# Altium PCB X-Track.PcbDoc
Units mil, origin at the board's own origin, x right, y up, seen from the top; angles counter-clockwise.
Board outline 1270 x 1450 mil, 2 copper layers (Top Layer, Bottom Layer); 67 components, 50 nets, 264 pads, 60 vias.
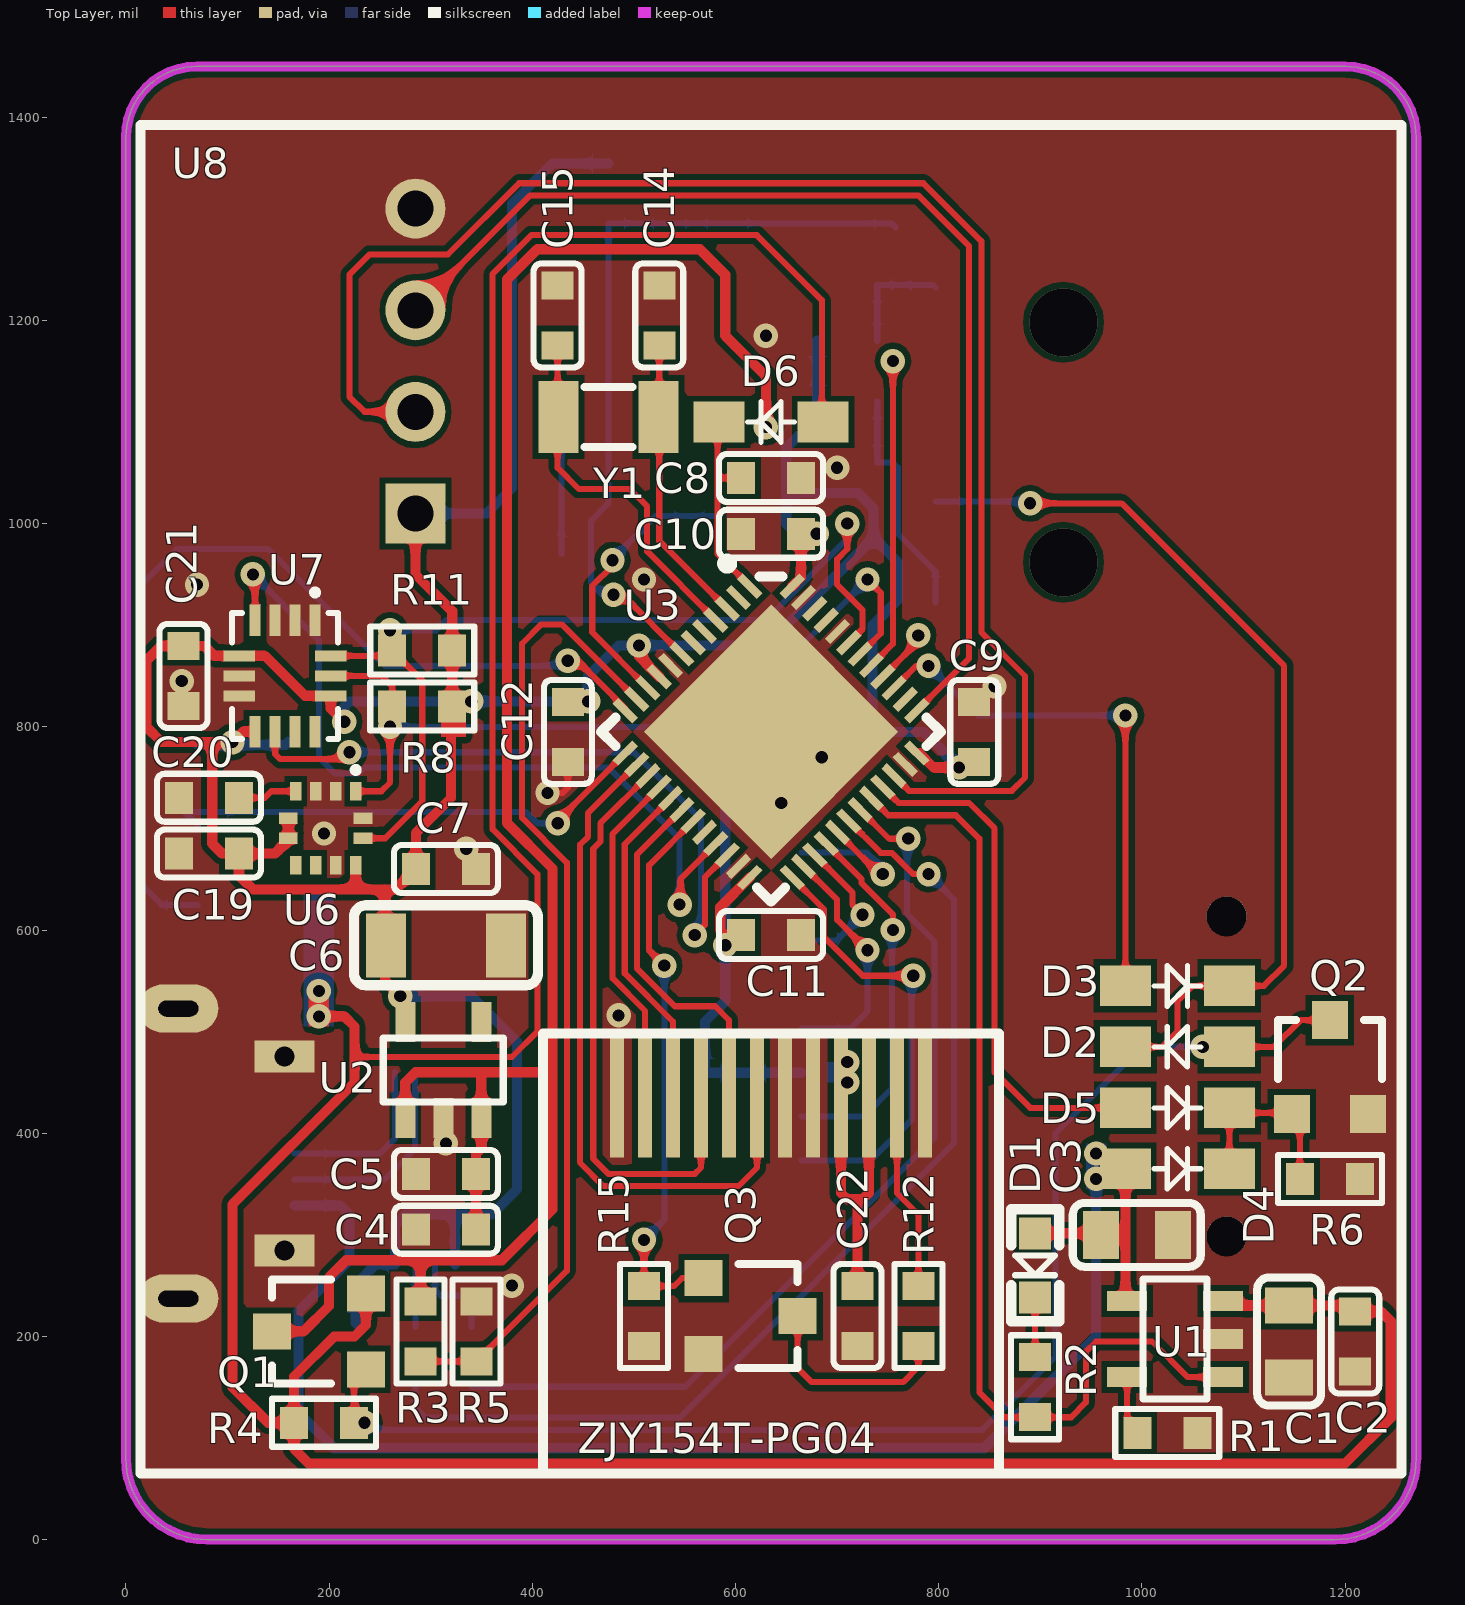
[diagram p0: Top Layer view]
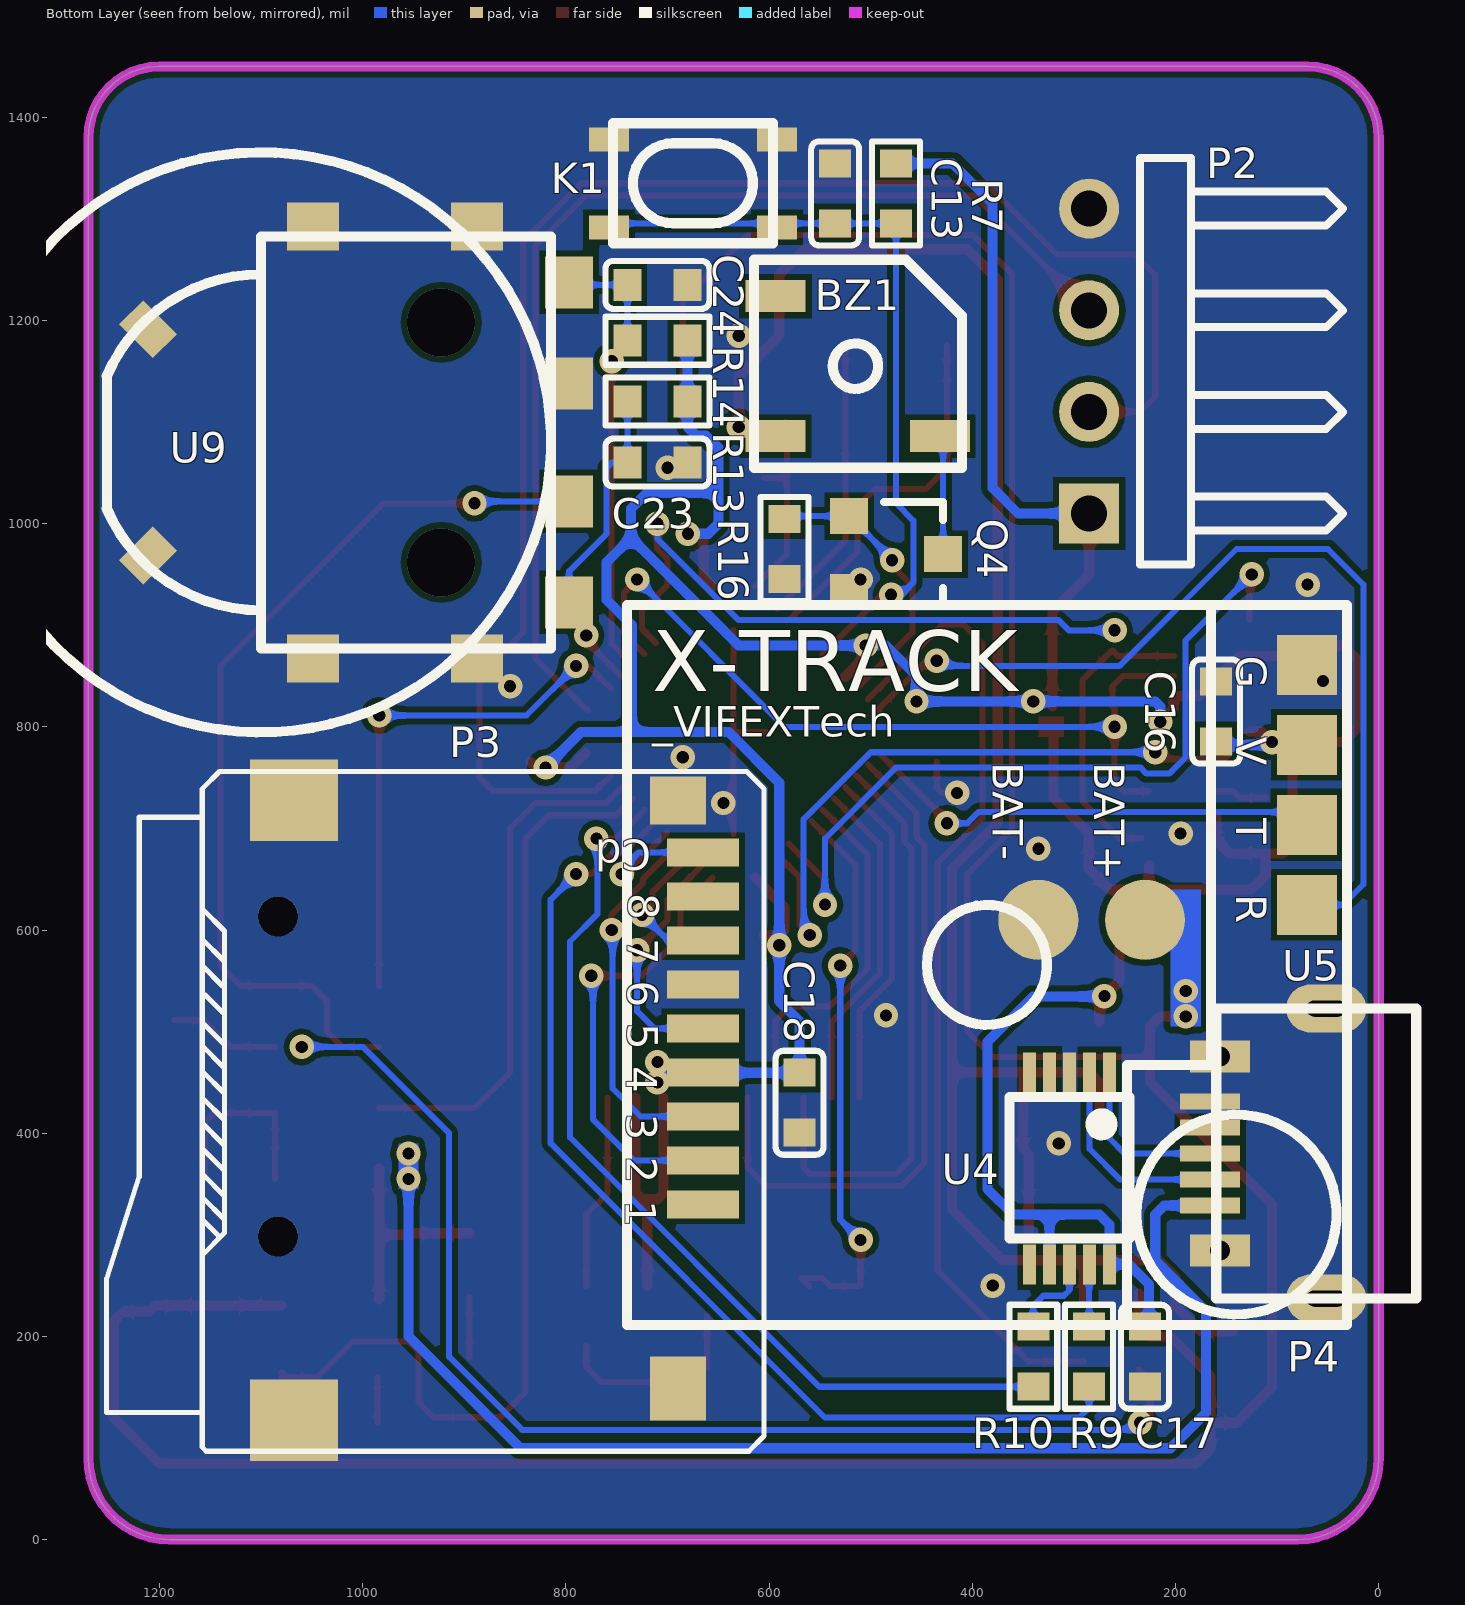
[diagram p1: Bottom Layer view, seen from below]
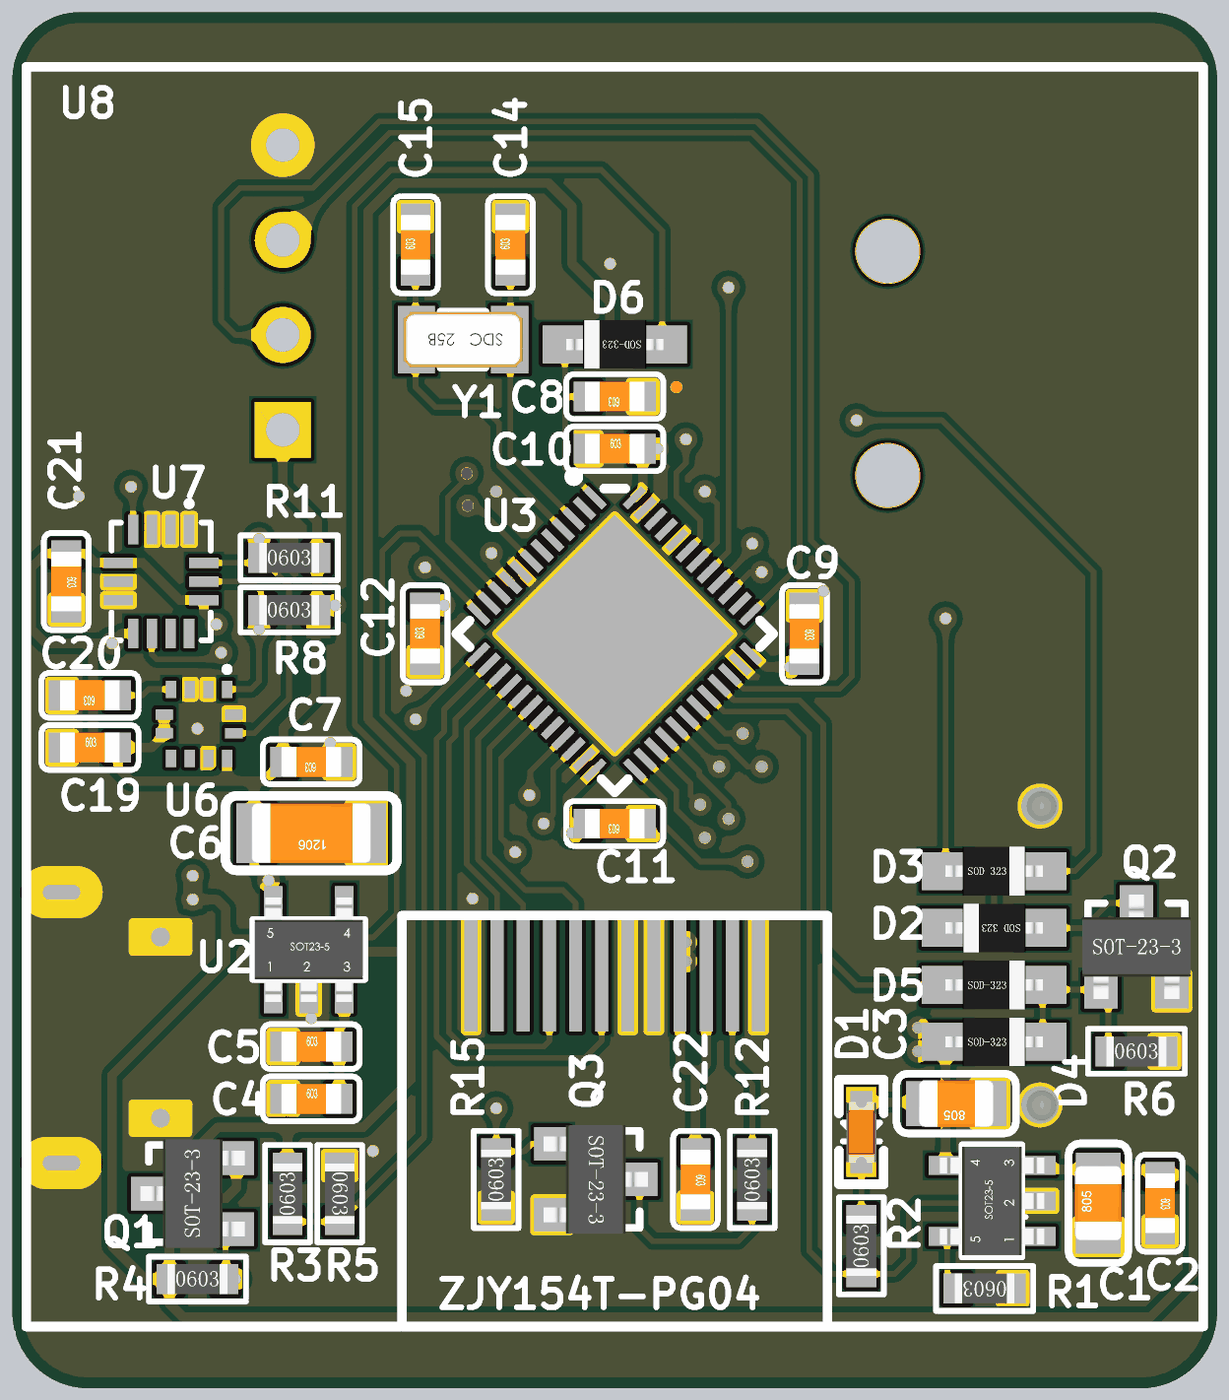
[diagram p2: 3D render of the assembled board from above, using the file's embedded part models]
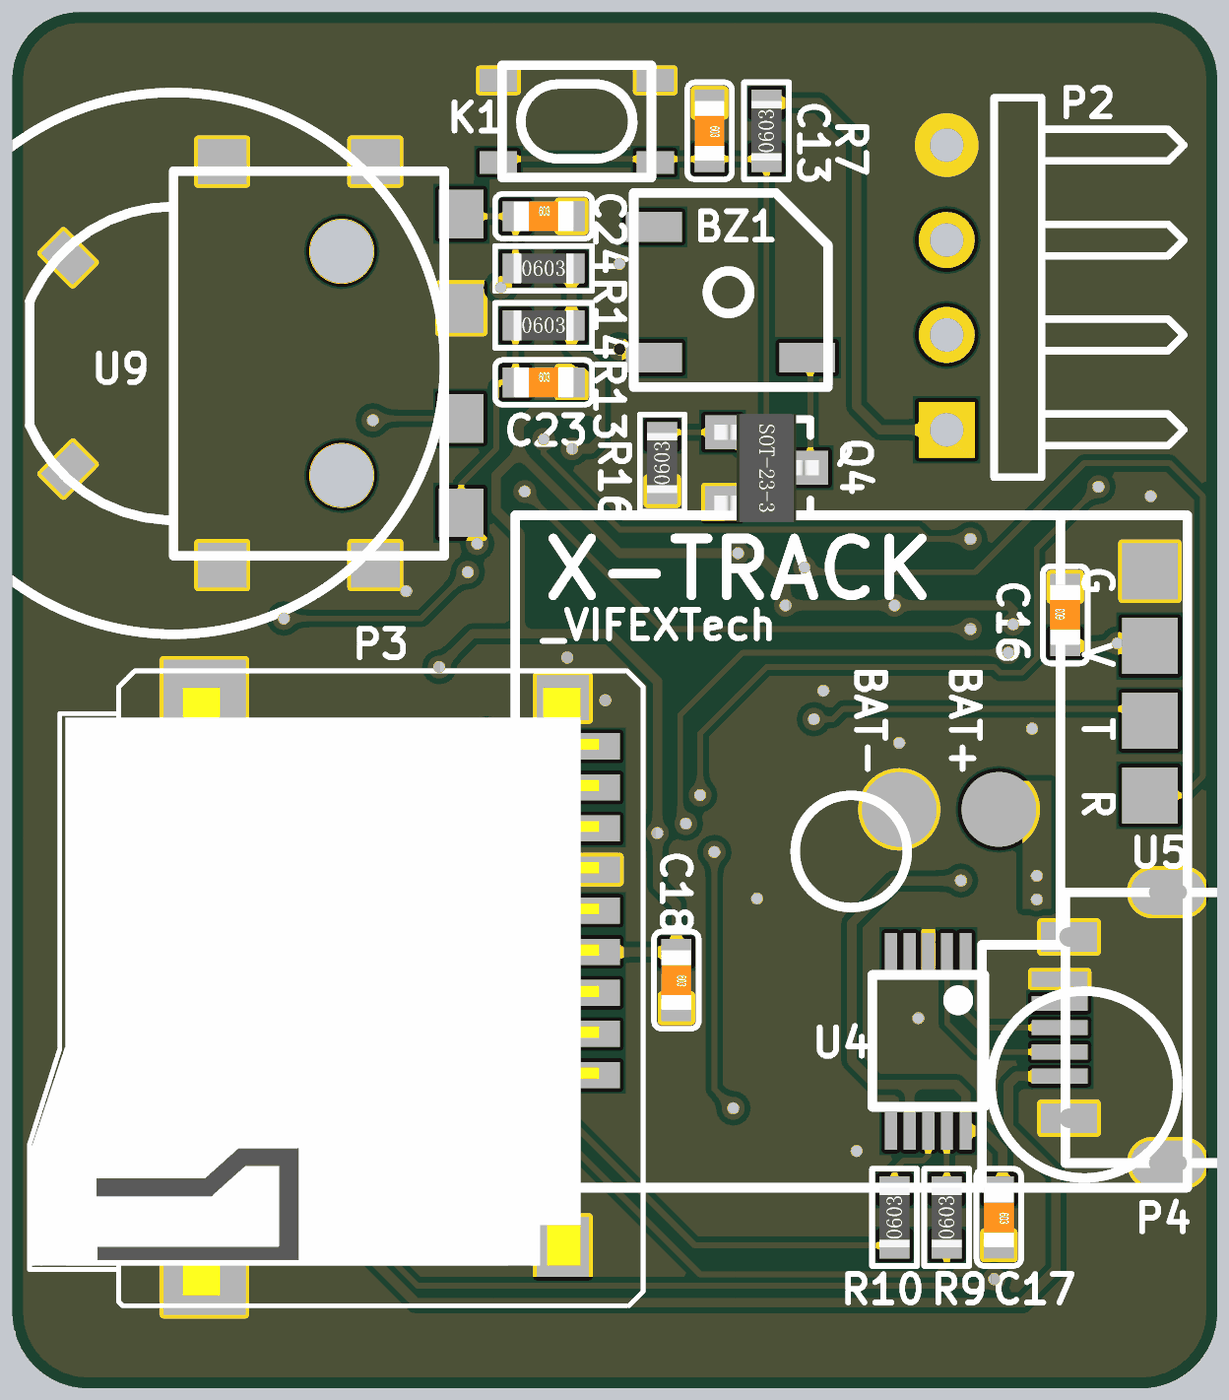
[diagram p3: 3D render of the assembled board from below, using the file's embedded part models]

## Layer stack, top to bottom
Top Solder: solder mask 0.4, Solder Resist, Dk 3.5
Top Layer: signal copper 1.4
Dielectric 1: dielectric 12.6, FR-4, Dk 4.8
Bottom Layer: signal copper 1.4
Bottom Solder: solder mask 0.4, Solder Resist, Dk 3.5

## Board outline
0,80 0,1380 cw(c70,1380) 70,1450 1200,1450 cw(c1200,1380) 1270,1380 1270,80 cw(c1190,80) 1190,0 80,0 cw(c80,80)

## Design rules (kind name [scope] priority, off if disabled: settings)
Clearance [All] p1: gap=6
ComponentClearance [All] p1 off: gap=10 collisioncheckmode=3 verticalgap=10 showdistances=FALSE
HoleSize [All] p1 off: absolutevalues=TRUE maxlimit=100 minlimit=1 maxpercent=80.000 minpercent=20.000
HoleToHoleClearance [All] p1 off: gap=10 allowstackedmicrovias=TRUE
LayerPairs [All] p1 off: enforce=TRUE
MinimumSolderMaskSliver [All] p1 off: minsoldermaskwidth=10
NetAntennae [All] p1 off: netantennaetolerance=0
PlaneConnect [All] p1: planeconnectstyle=Relief reliefexpansion=20 reliefentries=4 reliefconductorwidth=10 reliefairgap=6
PolygonConnect [All] p1: connectstyle=Direct reliefconductorwidth=10 reliefentries=4 polygonreliefangle="90 Angle" airgapwidth=6
RoutingVias [All] p1: holewidth=12 width=24 viastyle="Through Hole" minholewidth=12 minwidth=24 maxholewidth=12 maxwidth=24
SilkToSilkClearance [All] p1 off: silktosilkclearance=10
SilkToSolderMaskClearance [IsPad] p1 off: minsilkscreentomaskgap=10 clearancetoexposedcopper=TRUE
SolderMaskExpansion [All] p1: expansion=4
Width [All] p1: maxlimit=100 minlimit=6 preferedwidth=6
21 further rules are at their usual default settings.

## Classes and differential pairs
component class xLocate_Power: BAT+ BAT- C1 C2 C3 C4 C5 C6 C7 D1 D2 D3 D4 D5 Q1 Q2 R1 R2 R3 R4 R5 R6 U1 U2
component class xLocate_Sheet: BZ1 C8 C9 C10 C11 C12 C13 C14 C15 C16 C17 C18 C19 C20 C21 C22 C23 C24 D6 K1 P2 P3 P4 Q3 Q4 R7 R8 R9 R10 R11 R12 R13 R14 R15 R16 U3 U4 U5 U6 U7 U8 U9 Y1

## Components (designator, comment, footprint, x,y, rotation, side; value= is the part's Value field where it differs from the comment)
BAT+ "BAT_IN" Pad_B 230,610 r90 bottom
BAT- "GND" Pad_B 335,610 r90 bottom
BZ1 "Buzzer" 蜂鸣器_SMD5020 515,1155 r180 bottom
C1 "4.7UF" 电容_C0805 1145,195 r90 top
C2 "104" 电容_C0603 1210,195 r270 top
C3 "4.7UF" 电容_C0805 995,300 r180 top
C4 "104" 电容_C0603 315,305 r0 top
C5 "106" 电容_C0603 315,360 r0 top
C6 "22uF" 电容_C1206 315,585 r180 top
C7 "104" 电容_C0603 315,660 r180 top
C8 "104" 电容_C0603 635,1045 r180 top
C9 "105" 电容_C0603 835,795 r270 top
C10 "105" 电容_C0603 635,990 r0 top
C11 "105" 电容_C0603 635,595 r180 top
C12 "105" 电容_C0603 435,795 r90 top
C13 "104" 电容_C0603 535,1325 r270 bottom
C14 "22pf" 电容_C0603 525,1205 r90 top
C15 "22pf" 电容_C0603 425,1205 r90 top
C16 "105" 电容_C0603 160,815 r90 bottom
C17 "105" 电容_C0603 230,180 r270 bottom
C18 "104" 电容_C0603 570,430 r270 bottom
C19 "104" 电容_C0603 81.71,675.16 r0 top
C20 "104" 电容_C0603 81.71,730.16 r180 top
C21 "104" 电容_C0603 56.71,850.16 r270 top
C22 "104" 电容_C0603 720,220 r270 top
C23 "102" 电容_C0603 710,1060 r180 bottom
C24 "102" 电容_C0603 710,1235 r180 bottom
D1 "red" LED_0603 895,270 r270 top
D2 "1N4148" 二极管_SOD-323 1035,485 r180 top
D3 "1N4148" 二极管_SOD-323 1035,545 r0 top
D4 "1N4148" 二极管_SOD-323 1035,365 r0 top
D5 "1N4148" 二极管_SOD-323 1035,425 r0 top
D6 "1N4007" 二极管_SOD-323 635,1100 r180 top
K1 "SKRP" 开关按键_SKRP 675,1335 r0 bottom
P2 "Header 4" HDR1X4H 285,1010 r90 bottom
P3 "Micro_SD" 接插件_Micro_SD 665,330 r270 bottom locked
P4 "MICRO USB" "接插件_MICRO 牛角插座 USB 直边" 160,380 r270 bottom
Q1 "AO3401" MOS_SOT-23 190,205 r90 top
Q2 "AON3400" MOS_SOT-23 1185,465 r0 top
Q3 "AO3400" MOS_SOT-23 615,220 r270 top
Q4 "AO3400" MOS_SOT-23 475,970 r270 bottom
R1 "2K" 电阻_R0603 1025,105 r180 top
R2 "1K" 电阻_R0603 895,150 r90 top
R3 "20K" 电阻_R0603 290,205 r90 top
R4 "20K" 电阻_R0603 195,115 r0 top
R5 "20K" 电阻_R0603 345,205 r270 top
R6 "20K" 电阻_R0603 1185,355 r0 top
R7 "10K" 电阻_R0603 475,1325 r90 bottom
R8 "3.3K" 电阻_R0603 291.71,820.16 r0 top
R9 "100R" 电阻_R0603 285,180 r90 bottom
R10 "100R" 电阻_R0603 340,180 r90 bottom
R11 "3.3K" 电阻_R0603 291.71,875.16 r0 top
R12 "50R" 电阻_R0603 780,220 r90 top
R13 "10K" 电阻_R0603 710,1120 r180 bottom
R14 "10K" 电阻_R0603 710,1180 r180 bottom
R15 "10K" 电阻_R0603 510,220 r90 top
R16 "10K" 电阻_R0603 585,975 r90 bottom
U1 "MCP73831" SOT23-5 1080,160 r90 top
U2 "LP5907-3.3" SOT23-5 275,415 r0 top
U3 "AT32F403ACGU7" AT主控_QFN48(6X6) 635,795 r315 top locked
U4 "CH340E" 串口_MSOP10 265,460 r0 bottom
U5 "HT1818Z3G5L" GPS-HTZN 740,920 r270 bottom
U6 "LIS3MDL" LGA-12_L2.0-W2.0-P0.50-BL 196.71,700.16 r180 top
U7 "LSM6DSM" LGA-14_L3.0-W2.5-P0.50-BL 156.71,850.16 r180 top
U8 "IPS154-12" "ZJY154T-PG04 FPC 0.7MM" 635,435 r270 top locked
U9 "Rotary Encoder" SIQ-02FVS3 1100,1080 r90 bottom locked
Y1 "32.768K" 晶振_3215 475,1105 r180 top

## Footprints (in the part's own frame and the unit in brackets; to place one, negate y for a bottom-side part, rotate by r counter-clockwise, add the part's x,y. Pads: shape width x height; smd on the part's side, far side on the other; paste and mask are expansions set on the pad)
AT主控_QFN48(6X6) [mm]
  rect 4.5x4.5 smd: 0(0,0)
  rect 0.7x0.2 smd: 1(-2.95,2.2) 2(-2.95,1.8) 3(-2.95,1.4) 4(-2.95,1) 5(-2.95,0.6) 6(-2.95,0.2) 7(-2.95,-0.2) 8(-2.95,-0.6) 9(-2.95,-1) 10(-2.95,-1.4) 11(-2.95,-1.8) 12(-2.95,-2.2) 25(2.95,-2.2) 26(2.95,-1.8) 27(2.95,-1.4) 28(2.95,-1) 29(2.95,-0.6) 30(2.95,-0.2) 31(2.95,0.2) 32(2.95,0.6) 33(2.95,1) 34(2.95,1.4) 35(2.95,1.8) 36(2.95,2.2)
  rect 0.2x0.7 smd: 13(-2.2,-2.95) 14(-1.8,-2.95) 15(-1.4,-2.95) 16(-1,-2.95) 17(-0.6,-2.95) 18(-0.2,-2.95) 19(0.2,-2.95) 20(0.6,-2.95) 21(1,-2.95) 22(1.4,-2.95) 23(1.8,-2.95) 24(2.2,-2.95) 37(2.2,2.95) 38(1.8,2.95) 39(1.4,2.95) 40(1,2.95) 41(0.6,2.95) 42(0.2,2.95) 43(-0.2,2.95) 44(-0.6,2.95) 45(-1,2.95) 46(-1.4,2.95) 47(-1.8,2.95) 48(-2.2,2.95)
  silkscreen extent -3.87,-3 3,3
GPS-HTZN [mm]
  rect 1.5x1.5 smd: 1(1.5,17) 2(3.5,17) 3(5.5,17) 4(7.5,17)
  silkscreen extent 0,0 18,18
HDR1X4H [mm] "Connector; Header; 4 Position; Right Angle"
  rect 1.5x1.5 hole 0.9: 1(0,0)
  round 1.5 hole 0.9: 2(2.54,0) 3(5.08,0) 4(7.62,0)
  silkscreen extent -1.27,-6.35 8.89,-1.27
LED_0603 [mm]
  rect 0.8x0.8 smd paste-0.1: A(-0.8,0) K(0.8,0)
  silkscreen extent -1.4,-0.6 1.4,0.6, body extent -0.8,-0.4 0.82,0.4, height 0.6
LGA-12_L2.0-W2.0-P0.50-BL [mm]
  rect 0.28x0.465 smd: 1(-0.75,-0.925) 2(-0.25,-0.925) 3(0.25,-0.925) 4(0.75,-0.925) 7(0.75,0.925) 8(0.25,0.925) 9(-0.25,0.925) 10(-0.75,0.925)
  rect 0.465x0.28 smd: 5(0.933,-0.25) 6(0.933,0.25) 11(-0.933,0.25) 12(-0.933,-0.25)
  silkscreen extent -0.82,-1.53 -0.68,-1.38
LGA-14_L3.0-W2.5-P0.50-BL [mm]
  rect 0.28x0.785 smd: 1(-0.75,-1.393) 2(-0.25,-1.393) 3(0.25,-1.393) 4(0.75,-1.393) 8(0.75,1.393) 9(0.25,1.393) 10(-0.25,1.393) 11(-0.75,1.393)
  rect 0.785x0.28 smd: 5(1.142,-0.5) 6(1.142,0) 7(1.142,0.5) 12(-1.142,0.5) 13(-1.142,0) 14(-1.142,-0.5)
  silkscreen extent -1.33,-2.16 1.33,1.58
MOS_SOT-23 [mm]
  rect 0.9x0.95 smd: 1(-0.95,-1.175) 2(0,1.175) 3(0.95,-1.175)
  silkscreen extent -1.3,-0.3 1.3,1.18, body extent -1.45,-1.4 1.45,1.4, height 1.2
Pad_B [mm]
  round 2 smd: 1(0,0)
SIQ-02FVS3 [mm]
  rect 1.3x1.2 smd: 1(-4,-7.7) 2(-1.475,-7.7) 3(1.475,-7.7) 4(4,-7.7)
  rect 1.2x1.3 smd: 5(-5.4,-5.4) 5(-5.4,-1.3) 5(5.4,-5.4) 5(5.4,-1.3)
  rect 0.85x1.2 smd rot 45: 5(-2.828,2.828)
  rect 0.85x1.2 smd rot 135: 5(2.828,2.828)
  silkscreen extent -7.25,-7.25 7.25,7.25
SOT23-5 [mm]
  rect 0.5x1 smd: 1(0,0) 2(0.95,0) 3(1.9,0) 4(1.9,2.4) 5(0,2.4)
  silkscreen extent -0.55,0.4 2.45,2, body extent -0.5,-0.2 2.4,2.6, height 1.09
"ZJY154T-PG04 FPC 0.7MM" [mm]
  rect 3x0.35 smd: 1(0,3.85) 2(0,3.15) 3(0,2.45) 4(0,1.75) 5(0,1.05) 6(0,0.35) 7(0,-0.35) 8(0,-1.05) 9(0,-1.75) 10(0,-2.45) 11(0,-3.15) 12(0,-3.85)
  silkscreen extent -24.32,-15.76 9.4,15.76
串口_MSOP10 [mm]
  rect 0.32x1 smd: 1(0,0) 2(0.5,0) 3(1,0) 4(1.5,0) 5(2,0) 6(2,4.8) 7(1.5,4.8) 8(1,4.8) 9(0.5,4.8) 10(0,4.8)
  silkscreen extent -0.5,0.62 2.5,4.15
二极管_SOD-323 [mil]
  rect 50x40 smd: A(-51.18,0) K(51.18,0)
  silkscreen extent -23,-20 23,20, body extent -51,-26 51,26, height 39
开关按键_SKRP [mm]
  rect 1x0.6 smd: 1(-2.1,-1.1) 1(2.1,-1.1) 2(-2.1,1.1) 2(2.1,1.1)
  silkscreen extent -2,-1.5 2,1.5
"接插件_MICRO 牛角插座 USB 直边" [mm]
  oval 1.2x2 hole 0.4 slot 1 at 90 deg: 0(-3.625,2.75) 0(3.625,2.75)
  rect 0.8x1.5 hole 0.5: 0(-2.425,0.1) 0(2.425,0.1)
  rect 0.4x1.5 smd: 1(1.3,-0.15) 2(0.65,-0.15) 3(0,-0.15) 4(-0.65,-0.15) 5(-1.3,-0.15)
  silkscreen extent -3.62,0 3.62,5
接插件_Micro_SD [mm]
  rect 2.032x2.2 smd: 0(-10.1,-10.227) 0(5.4,-10.227)
  rect 1.2x1.4 smd: 0(-10.1,-0.627)
  round 1 hole 1 unplated: 0(-7.2,-10.627) 0(0.8,-10.627)
  rect 1.6x1.4 smd: 0(4.6,-0.627)
  rect 0.7x1.8 smd: 1(0,0) 2(-1.1,0) 3(-2.2,0) 4(-3.3,0) 5(-4.4,0) 6(-5.5,0) 7(-6.6,0) 8(-7.7,0) 9(-8.8,0)
  silkscreen extent -10.82,-14.91 6.17,1.52, body extent -10.37,-14.85 5.9,0.34, height 1.8
晶振_3215 [mm] "XTAL SMD 3.2 x 1.5 mm"
  rect 1x1.8 smd: 1(-1.25,0) 2(1.25,0)
  silkscreen extent -0.6,-0.75 0.6,0.75, body extent -1.6,-0.75 1.6,0.75, height 0.81
电容_C0603 [mm]
  rect 0.7x0.8 smd: 1(-0.75,0) 2(0.75,0)
  silkscreen extent -1.3,-0.6 1.3,0.6, body extent -0.8,-0.4 0.8,0.4, height 0.3
电容_C0805 [mm]
  rect 0.9x1.2 smd: 1(-0.9,0) 2(0.9,0)
  silkscreen extent -1.6,-0.8 1.6,0.8, body extent -1,-0.62 1,0.63, height 0.77
电容_C1206 [mm]
  rect 1x1.6 smd: 1(-1.5,0) 2(1.5,0)
  silkscreen extent -2.3,-1 2.3,1, body extent -1.6,-0.8 1.6,0.8, height 1
电阻_R0603 [mm]
  rect 0.7x0.8 smd: 1(-0.75,0) 2(0.75,0)
  silkscreen extent -1.3,-0.6 1.3,0.6, body extent -0.8,-0.4 0.8,0.4, height 0.45
蜂鸣器_SMD5020 [mm]
  rect 1.5x0.8 smd: 0(-2,1.75) 1(-2,-1.75) 2(2.108,-1.753)
  silkscreen extent -2.54,-2.54 2.66,2.66

## Part data
BAT+ BAT-: library part Pad
BZ1: library part BZ
C1 C2 C3 C4 C5 C6 C7 C8 C9 C10 C11 C12 C13 C14 C15 C16 C17 C18 C19 C20 C21 C22 C23 C24: library part cap
D1: library part LED
D2 D3 D4 D5 D6: library part Diode
K1: library part SW-PB
P2: "Header, 4-Pin"
P4: library part "MICRO USB 5PIN"
Q1: library part MOSFET-P
Q2 Q3 Q4: library part MOSFET-N
R1 R2 R3 R4 R5 R6 R7 R8 R9 R10 R11 R12 R13 R14 R15 R16: library part Res
U1: "线性充电管理控制器"
U2: library part LP5907, "LDO"
U3: library part AT32F403CGU6
U6: library part LIS3DMDL
Y1: library part XTAL_A

## Via types
v1: diameter 24, hole 12, Top Layer to Bottom Layer, tented both sides, 58 vias
v2: diameter 66.93, hole 66.93, Top Layer to Bottom Layer, 2 vias

## Nets (pads, with @x,y where several pads share a name; then routed paths per layer and width w, separated by ;. In a path a pad name is that pad's centre, name@x,y a point inside that pad or via, vN(x,y) a via of type N, cw(c..) or ccw(c..) an arc to the next point about the centre after c; other vN are vias at no path point)
3V3: C6.2 C7.2 C9.2 C10.2 C11.2 C12.2 C16.1 C17.1 C18.1 C19.2 C21.1 C22.1 P2.1 P3.4 R7.2 R8.2 R11.2 R13.2 R14.2 U2.5 U3.9 U3.24 U3.36 U3.48 U4.7 U4.10 U5.2 U6.5 U6.6 U6.10 U7.5 U7.8 U7.12 U8.3 U8.4 | length 4935.2
  Top Layer w10: U7.8 115.33,795.33 v1(105,785) 85,785 ; U6.5 160,688.44 146.71,675.16 C19.2 ; v1(215,805) 201.69,818.31 U7.12 176.4,830.47 137.03,869.84 U7.5 87.03,869.84 77.19,879.68 C21.1 34.68,879.68 20,865 20,800 35,785 85,785 ; 226.24,640 U6.10 ; 255,640 255,550 275,530 U2.5 ; P2.1 285,950 321.24,913.76 R11.2 R8.2 ; 320,795 320,730 285.47,695.47 C7.2 265.47,640 125,640 111.24,653.76 C19.2 ; v1(505,880) 505,869.32 U3.9 ; C11.2 590,595 585,600 585,622.51 U3.24 ; U3.48 664.53,947.02 C10.2 v1(680,990) ; U8.4 703.9,341.1 710,335 725,335 731.46,341.46 U8.3 ; C22.1 720,335 ; U3.36@780.88,774.12 795,760 v1(820,760) 829.53,760 C9.2 ; 85,785 85,685 94.84,675.16 C19.2
  Bottom Layer w10: U5.2 156.73,782.2 C16.1 ; v1(215,805) 215,820 220,825 v1(340,825) v1(455,825) 455,850 485,880 v1(505,880) 630,880 736,986 ; C17.1 226.02,213.5 226.02,251.02 246.02,271.02 U4.10 265,310 275,320 360,320 385,345 385,490 340.37,534.63 270.37,534.63 v1(270,535) ; P2.1 355,1010 380,1035 380,1315 419.53,1354.53 R7.2 ; U4.7 324.06,320 ; P3.4 664.61,459.53 C18.1 570,510 590,530 v1(590,585) 590,745 640,795 735,795 ; v1(680,990) 660,990 650,1000 650,1030 ; R14.2 R13.2 680.47,1095.47 671.75,1086.75 662.14,1086.75 650,1074.61 650,1030 ; v1(820,760) 785,795 735,795 ; 650,1030 720.7,1030 736,1014.7 736,986 ; 735,795 735,900 760,925 760,962 736,986
  other v1: 710,450 710,470
BAT: BZ1.1 C4.2 C5.2 Q1.2 R3.2 U2.1 U2.3 | length 2062.2
  Top Layer w10: Q1.2 175,205 200,230 200,258.12 216.88,275 290,275 ; U2.1 275,450 285,460 420,460 ; R3.2 290,275 ; C4.2 C5.2 344.53,379.53 350,385 350,414.8 U2.3 349.8,459.8 ; v1(630,1095) 630,1145 590,1185 590,1245 565,1270 405,1270 375,1240 375,705.5 420,660.5 420,325 370,275 290,275
BAT_CHG_DET: R2.1 U1.1 U3.32 | length 1006.5
  Top Layer w6: U3.32 750.41,713 817,713 840,690 840,145 864.53,120.47 R2.1 930.47,120.47 945,135 945,185 955,195 1010,195 1045,160 U1.1 ; U1.1@1070,155 U1.1@1080,165
BAT_DET: R3.1 R5.2 U3.11 | length 967.8
  Top Layer w6: R3.1 R5.2 434,264.47 434,666.3 390,710.3 390,882.02 408.8,900.82 428.96,900.82 U3.11
BAT_IN: BAT+.1 C1.2 C2.1 D6.A Q1.3 R4.1 U1.3 | length 3525.2
  Top Layer w6: 225,475 380,475 405,500 405,655 361,699 361,1245.8 399.2,1284 621,1284 685,1220 D6.A@685,1107.73 ; D6.A@677.27,1100 D6.A
  Top Layer w10: v1(190,515) 215,515 225,505 225,475 225,450 105,330 105,150 140,115 R4.1 ; Q1.3 236.26,211.26 225,200 205,200 165.47,160.47 R4.1 ; U1.3@1080,230.43 1204.09,230.43 C2.1 1235.47,224.53 1245,215 1245,120 1200,75 180,75 165.47,89.53 R4.1
  other v1: 190,540
BUZZ: Q4.1 R16.2 U3.10 | length 279.1
  Top Layer w6: v1(479,964) 479,958.7 459,938.7 459,893.05 U3.10
  Bottom Layer w6: v1(479,964) 480,965 479.43,965.57 Q4.1 R16.2@582.13,1007.4
EC_A: C23.1 R13.1 U3.40 U9.1 | length 285.5
  Top Layer w6: U3.40 780,884.32 v1(780,890)
  Bottom Layer w6: R13.1 C23.1 755,1060 760,1055 760,990 796.85,953.15 U9.1
EC_B: C24.1 R14.1 U3.41 U9.4 | length 421.7
  Top Layer w6: U3.41 755,881.59 v1(755,1160)
  Bottom Layer w6: R14.1 C24.1 794.33,1235 U9.4@796.85,1232.48
EC_KEY: D2.K D3.K U9.2 | length 909.4
  Top Layer w6: v1(890,1020) 980,1020 1140,860 1140,565 1120,545 D3.K 1050,545 1035,530 1035,500 1020,485 D2.K
  Bottom Layer w6: U9.2 v1@888.07,1021.93
EC_KEY_DET: D3.A U3.39 | length 523.2
  Top Layer w6: U3.39 777.95,860 v1(790,860) ; D3.A v1(983.82,811.18)
  Bottom Layer w6: v1(790,860) 838.82,811.18 v1(983.82,811.18)
GND: BAT-.1 C1.1 C2.2 C3.1 C4.1 C5.1 C6.1 C7.1 C8.1 C9.1 C10.1 C11.1 C12.1 C13.1 C14.2 C15.2 C16.2 C17.2 C18.2 C19.1 C20.2 C21.2 C22.2 C23.2 C24.2 K1.1 P2.4 P3.0 P3.6 P4.0 P4.5 Q2.3 Q3.3 Q4.3 R1.1 R5.1 R6.2 R15.1 R16.1 U1.2 U2.2 U3.0 U3.8 U3.23 U3.35 U3.44 U3.47 U4.3 U5.1 U6.2 U6.3 U6.9 U6.12 U7.1 U7.2 U7.3 U7.6 U7.7 U8.1 U8.5 U8.6 U8.12 U9.3 U9.5 | length 381.6
  Top Layer w6: v1(415,735) 430,735 435,740 C12.1 ; U3.0@601.59,795 U3.0 ; U3.0@635,694.78 U3.0 ; U3.0@635,895.22 U3.0 ; U3.0@735.22,795 U3.0
  other v1: 380,250 315,390 485,516 335,680 195,695 645,725 685,770 855,840 55,845 70,940 510,945 700,1055 630,1185
GPS_RX: U3.12 U5.4 | length 921.6
  Top Layer w6: v1(435,865) 444.7,865 491.63,818.07 U3.12
  Bottom Layer w6: U5.4 35.28,624.72 15,645 15,940 50,975 140,975 255,860 430,860 v1(435,865)
GPS_TX: U3.13 U5.3 | length 485.8
  Top Layer w6: v1(425,705) 425,707.49 U3.13
  Bottom Layer w6: U5.3 58.17,716 394,716 405,705 v1(425,705)
IMU_INT1: U3.21 U7.4 | length 785.8
  Top Layer w6: v1(125,950) 127.18,947.82 U7.4 ; v1(545,625) 546,626 546,650.32 U3.21
  Bottom Layer w6: v1(125,950) 190,885 190,770 206,754 228.7,754 234.7,760 475,760 545,690 v1(545,625)
IMU_INT2: U3.22 U7.9 | length 682.2
  Top Layer w6: U7.9 146.87,773.13 151.87,768.13 213.13,768.13 v1(220,775) ; v1(560,595) 570,605 570,652.05 U3.22
  Bottom Layer w6: v1(220,775) 500,775 566,709 566,601 v1(560,595)
MCU_RX: R10.1 U3.31 | length 922.4
  Top Layer w6: U3.31 751.14,690 v1(770,690)
  Bottom Layer w6: R10.1 550.47,150.47 796,396 796,588.7 769,615.7 769,689 v1(770,690)
MCU_SCL: R8.1 U3.42 U6.1 U7.13 | length 815
  Top Layer w6: U7.13 251.71,850.16 262.19,839.68 R8.1 260,817.97 v1(260,800) 260,745 251.57,736.57 U6.1 ; U3.42 743,891.86 743,932 v1(730,945)
  Bottom Layer w6: v1(260,800) 585,800 v1(730,945)
MCU_SDA: R11.1 U3.43 U6.11 U7.14 | length 936.4
  Top Layer w6: U7.14 256.87,869.84 R11.1 291.71,845.63 291.71,726.71 255.31,690.31 U6.11 ; v1(710,1000) 710,975 700,965 700,940 725,915 725,896.14 U3.43
  Bottom Layer w6: v1(260,895) 305,895 315,905 630,905 710,985 v1(710,1000)
MCU_TX: R9.1 U3.30 | length 1041.9
  Top Layer w6: U3.30 742.86,676 754,676 775,655 v1(790,655)
  Bottom Layer w6: R9.1 285,130 295,120 545,120 815,390 815,630 v1(790,655)
NetBZ1_2: BZ1.2 Q4.2 | length 112.7
  Bottom Layer w6: Q4.2 BZ1.2@428.74,1082.74
NetC20_1: C20.1 U6.4 | length 58.6
  Top Layer w6: C20.1 136.71,730.16 143.13,736.57 U6.4
NetD1_K: D1.K R2.2 | length 59
  Top Layer w6: R2.2 D1.K
NetD2_A: D2.A Q1.1 Q2.2 R4.2 | length 1280.1
  Top Layer w6: R4.2 224.53,155.87 Q1.1 ; D2.A 1130,485 1156.26,511.26 Q2.2
  Bottom Layer w6: v1(235,115) 242,108 843,108 915,180 915,400 1000,485 v1(1060,485)
NetD4_K: D4.K D5.K Q2.1 R6.1 | length 193.9
  Top Layer w6: D4.K@1086.18,355 1086.18,420 1146.34,420 Q2.1 1155.47,410.87 R6.1
NetP4_2: P4.2 U4.2 | length 206.6
  Bottom Layer w6: P4.2 254.41,354.41 284.68,384.68 U4.2
NetP4_3: P4.3 U4.1 | length 170.3
  Bottom Layer w6: P4.3 250,380 265,395 U4.1
NetQ3_2: Q3.2 R12.1 | length 202.4
  Top Layer w6: Q3.2 661.26,168.74 675,155 765,155 780,170 R12.1
NetR1_2: R1.2 U1.5 | length 45
  Top Layer w6: R1.2@985.51,114.96 U1.5
NetR9_2: R9.2 U4.9 | length 61.6
  Bottom Layer w6: U4.9 285,270.71 R9.2
NetR10_2: R10.2 U4.8 | length 88
  Bottom Layer w6: U4.8 304.37,245.63 310,240 330,240 340,230 R10.2
OSC32_IN: C14.1 U3.3 Y1.1 | length 287.1
  Top Layer w6: C14.1 525,982.95 U3.3
OSC32_OUT: C15.1 U3.4 Y1.2 | length 364.3
  Top Layer w6: C15.1 425,1055 446,1034 496,1034 513,1017 513,972.68 U3.4
PWR_EN: D5.A U3.33 | length 510.2
  Top Layer w6: U3.33 760.68,725 830,725 855,700 855,460 890,425 D5.A
RST: C13.2 K1.2 R7.1 U3.7 | length 765.5
  Top Layer w6: v1(480,930) 488.86,930 U3.7
  Bottom Layer w6: v1@478.67,921.33 458,942 458,1003 475,1020 R7.1 C13.2 753.9,1295.47 K1.2@757.68,1291.69
SCR_BLK: Q3.1 R15.2 U3.19 | length 564.3
  Top Layer w6: R15.2 539.53,249.53 547.4,257.4 Q3.1 560.87,249.53 Q3.1@560.39,250 ; v1(510,295) 510,249.91 R15.2@510.42,249.49 ; v1(530,565) 515,580 515,663.86 U3.19
  Bottom Layer w6: v1(510,295) 530,315 v1(530,565)
SCR_CS: U3.18 U8.8 | length 362.6
  Top Layer w6: U3.18 503,674.14 503,562.3 540.3,525 580,525 593.66,511.34 U8.8
SCR_DC: U3.14 U8.7 | length 675.1
  Top Layer w6: U3.14 455,715.22 455,691.97 447,683.97 447,371.03 470.03,348 603,348 621.22,366.22 U8.7
SCR_LEDK: R12.2 U8.2 | length 194.2
  Top Layer w6: U8.2 759.02,340.98 780,320 R12.2
SCR_RES: U3.16 U8.11 | length 338
  Top Layer w6: U8.11 510.98,520.38 479,552.36 479,694.68 U3.16
SCR_SCL: U3.15 U8.9 | length 582.9
  Top Layer w6: U3.15 467,704.95 467,687 460,680 460,375 475,360 560,360 566.1,366.1 U8.9
SCR_SDA: U3.17 U8.10 | length 333
  Top Layer w6: U3.17 491,684.41 491,557.33 538.54,509.79 U8.10
SD_CD: P3.9 U3.29 | length 153.4
  Top Layer w6: U3.29 741.59,655 v1(745,655)
  Bottom Layer w6: P3.9 728.54,676.46 745,660 v1(745,655)
SD_CS: P3.2 U3.25 | length 442.4
  Top Layer w6: U3.25 687.31,620.2 687.31,592.99 725.3,555 v1(775,555)
  Bottom Layer w6: P3.2 733.31,373.31 773.31,413.31 773.31,553.31 v1(775,555)
SD_MISO: P3.7 U3.27 | length 148.7
  Top Layer w6: U3.27 715,637.05 715,625 v1(725,615)
  Bottom Layer w6: P3.7 699.84,589.84 v1(725,615)
SD_MOSI: P3.3 U3.28 | length 369
  Top Layer w6: U3.28 724,650.32 724,646.3 755,615.3 v1(755,600)
  Bottom Layer w6: P3.3 726.61,416.61 754,444 754,599 v1(755,600)
SD_SCK: P3.5 U3.26 | length 240.8
  Top Layer w6: U3.26 700,629.78 700,610 v1(730,580)
  Bottom Layer w6: P3.5 713.23,503.23 730,520 v1(730,580)
SWCLK: P2.3 U3.37 | length 1091
  Top Layer w6: P2.3 398,1323 780.03,1323 830,1273.03 830,867.51 U3.37
SWDIO: P2.2 U3.34 | length 1560.4
  Top Layer w6: P2.2 235,1110 220,1125 220,1245 240,1265 317.06,1265 387.06,1335 785,1335 842,1278 842,893 885,850 885,750 872,737 770.95,737 U3.34
USB_VCC: C3.2 D1.A D4.A P4.1 U1.4 | length 1487.7
  Top Layer w10: D1.A C3.2@956.5,301.5 ; C3.2 983.82,300 ; U1.4@983.82,236.5 983.82,300 ; D4.A 983.82,300
  Bottom Layer w10: P4.1 211.18,328.82 220,320 220,275 170,225 170,125 205,90 844.8,90 955,200.2 v1(955,355)
  other v1: 955,380
VBAT: C8.2 D6.K U3.1 | length 198.3
  Top Layer w6: D6.K 582.49,1098.67 582.49,1045 ; C8.2 582.49,1045 ; U3.1 582.49,970 582.49,1045
pads on no net: BZ1.0 P3.1 P3.8 P4.4 U2.4 U3.2 U3.5 U3.6 U3.20 U3.38 U3.45 U3.46 U4.4 U4.5 U4.6 U6.7 U6.8 U7.10 U7.11
copper on no net:
  other v2: 922.83,961.89 922.83,1198.11

## Polygon pours and split planes (outlines as drawn)
GND on Top Layer "GND" (solid, remove dead copper, pour order 6): -70,1465 1285,1465 1310,1490 1360,1440 1360,5 -10,5 -105,-90
GND on Bottom Layer "GND" (solid, remove dead copper, pour order 8): -120,1540 -50,1470 1410,1470 1410,-120 1350,-180 1315,-145 -110,-145

## Keep-outs
Keep-Out Layer:
  the board outline again, w10

## Other copper
Top Layer:
  rectangle net BAT_IN: 180,505 200,545
  rectangle net 3V3: 310,790 335,810
Bottom Layer:
  rectangle net BAT_IN: 175,505 205,640
  rectangle net USB_VCC: 945,345 965,390
  rectangle net 3V3: 690,450 710,470

## Silkscreen, mask and mechanical layers (free items; w line width, h text height)
Bottom Overlay:
  text "X-TRACK" at 715,835 h60
  text "_VIFEXTech" at 715,790 h30
Mechanical 1:
  the board outline again, w10

## Text inside footprints (layer, text, board x,y; h text height)
P3: Bottom Overlay "1" at 741,334 h30 r90; Bottom Overlay "2" at 740,377 h30 r90; Bottom Overlay "3" at 740,419 h30 r90; Bottom Overlay "4" at 740,466 h30 r90; Bottom Overlay "5" at 739,508 h30 r90; Bottom Overlay "6" at 739,550 h30 r90; Bottom Overlay "7" at 739,592 h30 r90; Bottom Overlay "8" at 738,636 h30 r90; Bottom Overlay "Cd" at 716,689 h30 r180
U5: Bottom Overlay "G" at 140,870 h30 r90; Bottom Overlay "V" at 140,790 h30 r90; Bottom Overlay "T" at 140,710 h30 r90; Bottom Overlay "R" at 140,635 h30 r90
U8: Top Overlay "ZJY154T-PG04" at 445,85 h30